# KiCad board visionboard.kicad_pcb (continued)
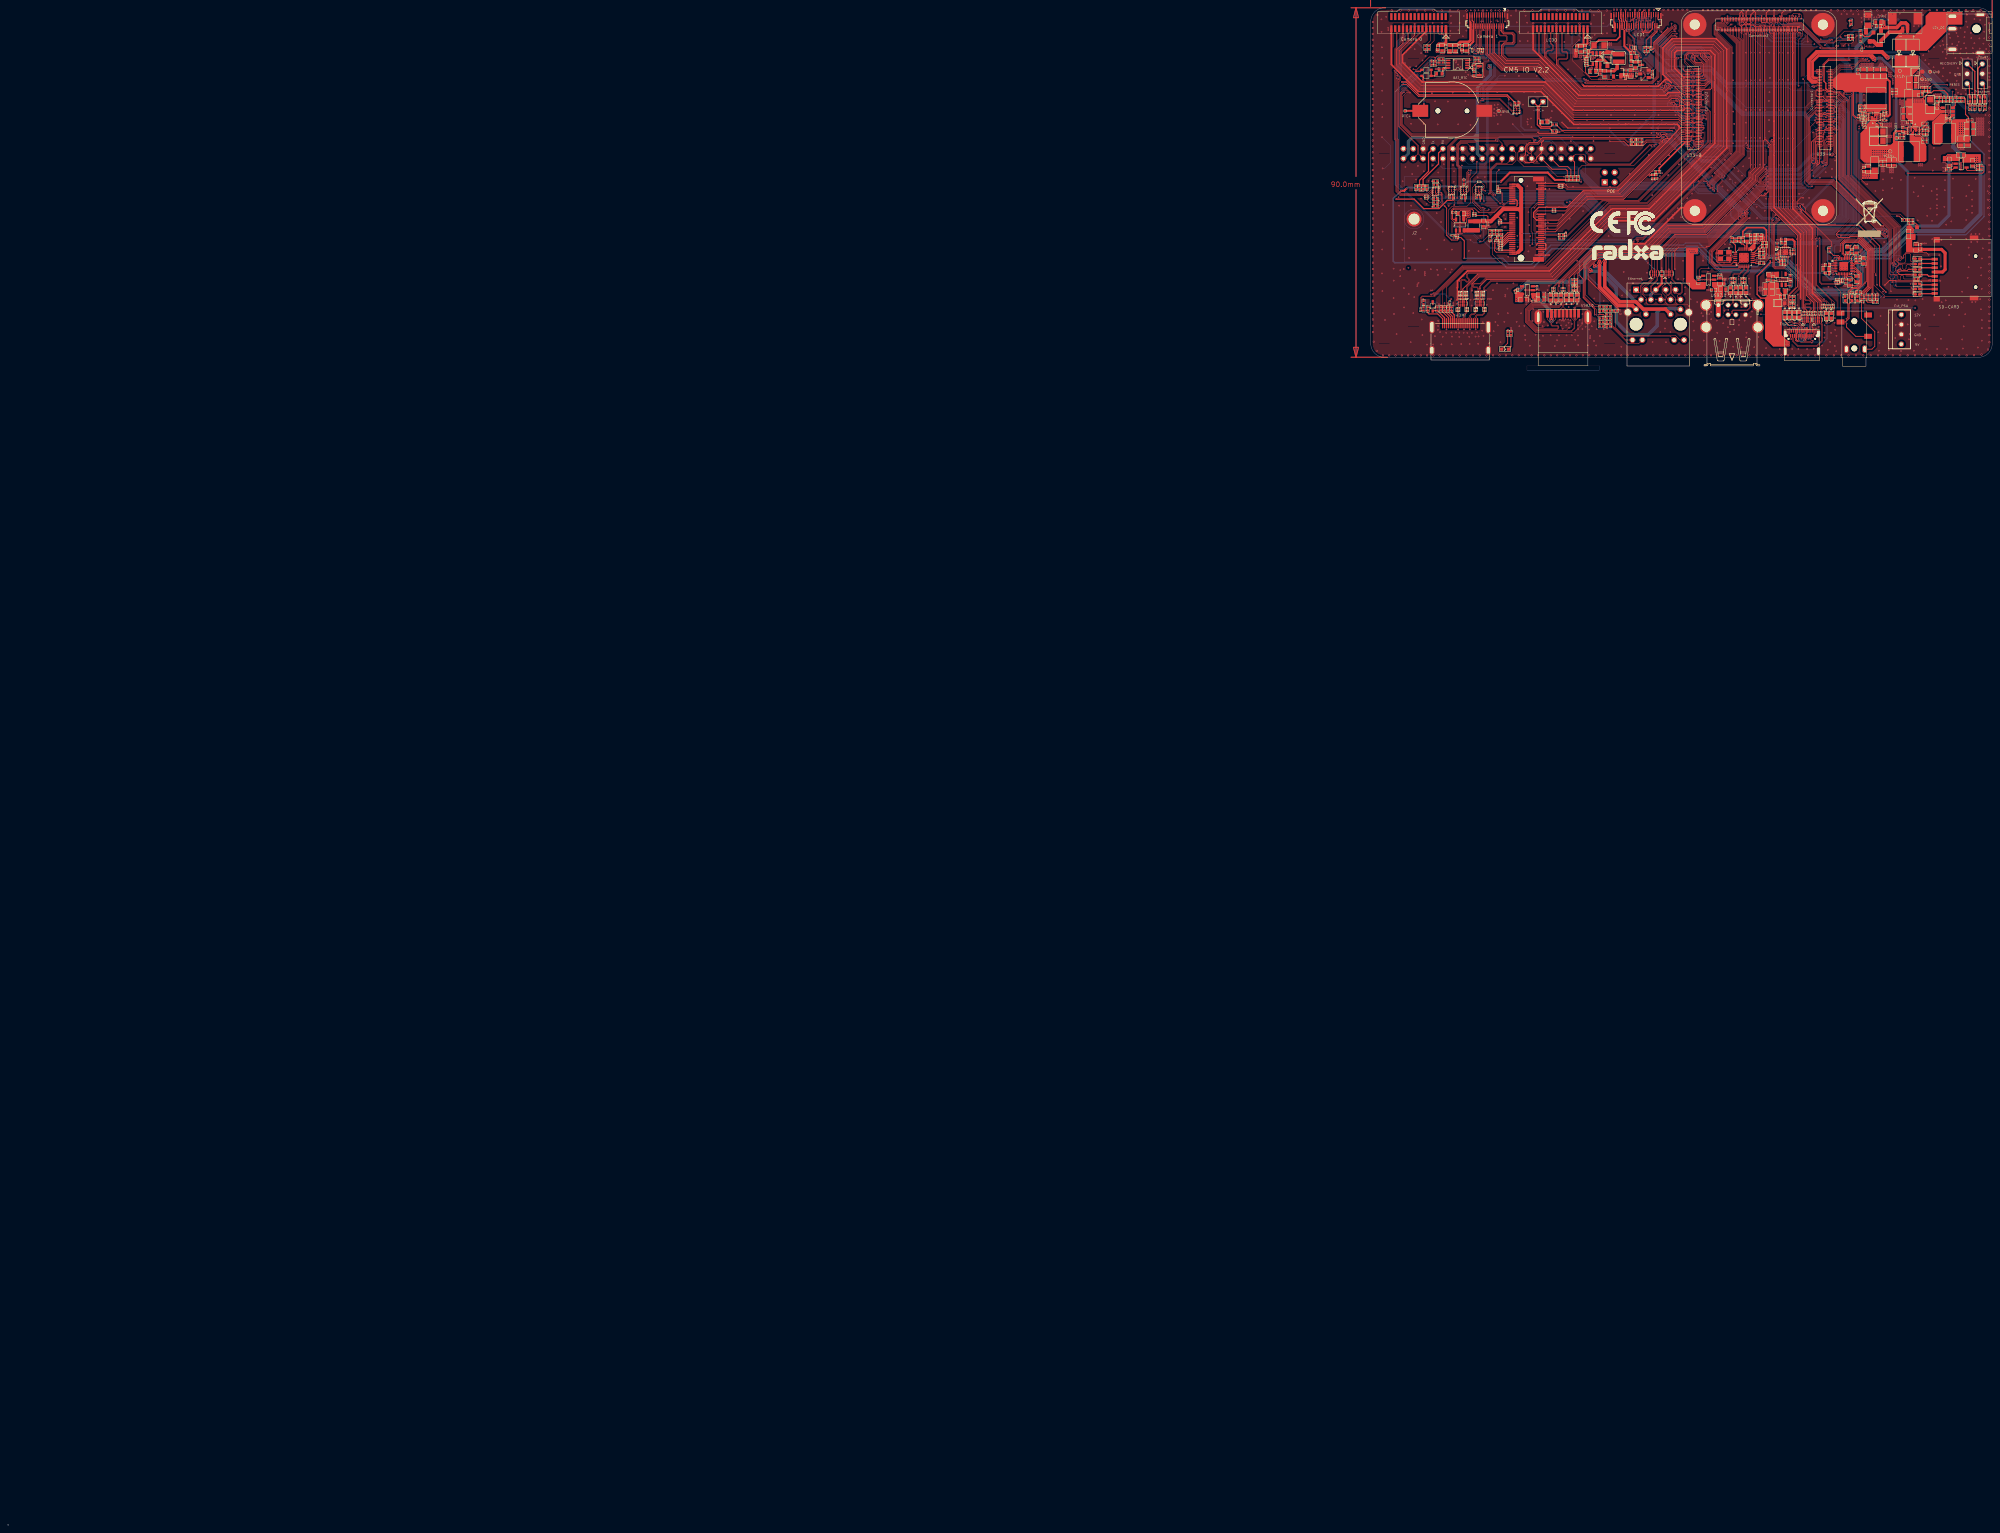
[diagram p0: board, top side]
## Routing (per net, layer and track width the routed paths; a pad name or vN(x,y) marks a point on that pad's centre or on a via; arc(x,y) is an arc through that point) (continued)
v1(481.63,307.22) v1(481.71,375.67) v1(481.68,361.32) v1(481.83,388.34) v1(481.76,302.49) v1(481.93,376.07) v1(481.91,304.52) v1(482.03,361.07) v1(482.16,376.47) v1(482.16,375.67) v1(482.18,311.42) v1(482.38,376.07) v1(482.38,361.32) v1(482.36,357.89) v1(482.36,357.47) v1(482.51,388.94) v1(482.63,376.44) v1(482.61,375.67) v1(482.56,349.89) v1(482.56,349.47) v1(482.56,349.04) v1(482.56,348.62) v1(482.71,361.04) v1(482.71,360.62) v1(482.71,360.19) v1(482.81,357.89) v1(482.81,357.47) v1(482.81,346.59) v1(482.78,343.77) v1(482.81,317.69) v1(482.86,376.07) v1(483.01,349.89) v1(483.01,349.47) v1(483.01,349.04) v1(483.01,348.62) v1(483.06,375.67) v1(483.13,330.44) v1(483.08,316.27) v1(483.16,361.04) v1(483.16,360.62) v1(483.16,360.19) v1(483.26,357.89) v1(483.26,357.47) v1(483.36,362.32) v1(483.51,389.02) v1(483.51,375.67) v1(483.48,306.99) v1(483.61,361.04) v1(483.61,360.62) v1(483.61,360.19) v1(483.68,357.89) v1(483.68,357.47) v1(483.88,364.02) v1(483.98,375.04) v1(483.96,374.54) v1(484.03,361.02) v1(484.03,360.59) v1(484.03,360.17) v1(483.96,332.07) v1(483.98,309.09) v1(484.13,357.89) v1(484.13,357.47) v1(484.31,374.17) v1(484.31,373.67) v1(484.33,373.12) v1(484.31,302.59) v1(484.48,361.02) v1(484.48,360.59) v1(484.48,360.17) v1(484.46,312.29) v1(484.58,357.89) v1(484.58,357.47) v1(484.56,349.64) v1(484.56,349.22) v1(484.56,348.79) v1(484.56,348.37) v1(484.81,374.09) v1(484.81,373.59) v1(484.83,373.04) v1(484.93,361.02) v1(484.93,360.59) v1(484.93,360.17) v1(485.01,357.87) v1(485.01,357.44) v1(484.98,349.64) v1(484.98,349.22) v1(484.98,348.79) v1(484.98,348.37) v1(485.13,346.92) v1(485.18,344.27) v1(485.28,389.17) v1(485.33,372.47) v1(485.33,372.04) v1(485.33,371.62) v1(485.33,371.19) v1(485.31,369.27) v1(485.31,368.32) v1(485.31,367.89) v1(485.43,349.64) v1(485.43,349.22) v1(485.43,348.79) v1(485.43,348.37) v1(485.58,322.12) v1(485.98,305.74) v1(486.08,309.14) v1(486.41,315.64) v1(486.88,358.39) v1(487.13,389.29) v1(487.21,367.22) v1(487.21,366.79) v1(487.21,366.37) v1(487.21,365.94) v1(487.31,323.47) v1(487.43,346.47) v1(487.53,361.44) v1(487.46,302.39) v1(487.63,366.79) v1(487.63,366.37) v1(487.63,365.94) v1(487.63,365.52) v1(487.56,360.74) v1(487.66,360.32) v1(487.76,361.09) v1(487.96,361.44) v1(487.98,360.74) v1(488.06,366.97) v1(488.06,366.54) v1(488.06,366.12) v1(488.06,365.69) v1(488.06,365.27) v1(488.08,360.32) v1(488.38,361.44) v1(488.38,360.89) v1(488.58,360.47) v1(488.81,361.44) v1(488.81,360.99) v1(489.03,360.59) v1(489.16,309.24) v1(489.43,360.79) v1(489.41,360.32) v1(489.36,315.52) v1(489.48,305.39) v1(489.71,306.77) v1(489.81,360.54) v1(489.83,360.09) v1(489.83,359.59) v1(489.83,359.09) v1(489.93,319.69) v1(490.13,318.64) v1(490.51,326.22) v1(490.51,324.82) v1(490.51,323.39) v1(490.53,322.07) v1(490.48,319.69) v1(490.51,318.39) v1(490.48,317.69) v1(490.48,317.09) v1(490.71,343.27) v1(490.78,386.04) v1(490.78,302.49) v1(490.93,330.34) v1(490.98,371.54) v1(490.96,347.04) v1(491.06,317.69) v1(491.16,373.57) v1(491.16,315.42) v1(491.36,330.34) v1(491.48,371.54) v1(491.58,373.92) v1(491.56,373.32) v1(491.81,374.32) v1(491.76,336.04) v1(491.78,330.34) v1(491.88,342.24) v1(491.98,386.09) v1(492.03,373.89) v1(492.03,373.44) v1(492.03,372.99) v1(492.03,372.54) v1(492.03,372.09) v1(492.03,371.62) v1(491.96,370.17) v1(492.01,350.57) v1(492.01,350.14) v1(492.06,370.64) v1(492.16,371.09) v1(492.41,370.17) v1(492.53,373.52) v1(492.51,373.02) v1(492.48,371.62) v1(492.53,370.64) v1(492.46,350.57) v1(492.46,350.14) v1(492.61,371.09) v1(492.63,330.09) v1(492.81,358.84) v1(492.93,371.62) v1(492.91,350.57) v1(492.91,350.14) v1(493.01,373.22) v1(493.01,370.64) v1(493.01,315.77) v1(493.11,388.94) v1(493.06,371.09) v1(493.13,344.84) v1(493.06,330.09) v1(493.18,378.57) v1(493.31,372.89) v1(493.38,372.09) v1(493.38,371.62) v1(493.41,370.17) v1(493.51,371.09) v1(493.48,370.64) v1(493.48,330.09) v1(493.63,372.57) v1(493.73,377.27) v1(493.68,305.52) v1(493.83,372.09) v1(493.76,359.49) v1(493.88,371.62) v1(493.91,330.09) v1(493.96,371.09) v1(493.96,370.64) v1(494.01,302.79) v1(494.21,337.22) v1(494.33,371.82) v1(494.36,371.37) v1(494.41,370.84) v1(494.51,359.97) v1(494.56,379.62) v1(494.61,376.32) v1(494.66,368.12) v1(494.83,371.12) v1(494.81,359.67) v1(495.03,339.09) v1(495.03,320.79) v1(495.03,320.37) v1(495.11,368.12) v1(495.33,343.59) v1(495.46,335.94) v1(495.51,331.19) v1(495.56,368.12) v1(495.61,348.87) v1(495.83,375.47) v1(495.83,368.47) v1(495.91,354.69) v1(495.96,380.62) v1(496.01,368.04) v1(496.01,311.69) v1(496.13,351.87) v1(496.31,368.47) v1(496.46,368.04) v1(496.68,344.12) v1(496.71,342.64) v1(496.71,341.49) v1(496.71,339.92) v1(496.71,339.12) v1(496.71,337.52) v1(496.76,368.47) v1(496.78,302.92) v1(496.91,368.04) v1(497.06,374.22) v1(497.21,368.47) v1(497.31,327.09) v1(497.36,368.04) v1(497.61,381.02) v1(497.58,320.52) v1(497.68,368.52) v1(497.73,305.54) v1(497.83,368.07) v1(497.76,324.22) v1(497.86,330.97) v1(497.91,314.97) v1(498.16,382.22) v1(498.18,379.44) v1(498.18,373.14) v1(498.33,350.99) v1(498.33,349.62) v1(498.38,381.27) v1(498.36,375.24) v1(498.36,348.67) v1(498.63,339.54) v1(498.73,343.82) v1(498.81,380.12) v1(498.78,350.99) v1(498.78,349.62) v1(498.81,348.67) v1(498.78,346.39) v1(498.88,349.14) v1(499.01,377.77) v1(498.96,315.42) v1(499.06,364.34) v1(499.06,363.89) v1(499.11,350.62) v1(499.11,350.12) v1(499.11,334.94) v1(499.23,381.37) v1(499.26,378.74) v1(499.28,302.92) v1(499.36,372.19) v1(499.51,364.34) v1(499.51,363.89) v1(499.73,363.49) v1(499.73,363.04) v1(499.83,384.04) v1(499.86,311.64) v1(499.96,364.34) v1(499.96,363.89) v1(500.11,383.07) v1(500.08,374.07) v1(500.23,331.64) v1(500.31,329.82) v1(500.41,335.77) v1(500.63,381.47) v1(500.58,371.02) v1(500.71,350.87) v1(500.71,350.42) v1(500.66,349.97) v1(500.71,341.89) v1(500.86,346.79) v1(500.98,379.02) v1(501.41,368.42) v1(501.46,377.82) v1(501.51,373.14) v1(501.61,369.77) v1(501.73,384.32) v1(501.78,371.99) v1(501.76,368.12) v1(501.93,381.09) v1(501.96,355.64) v1(501.96,355.22) v1(502.08,383.42) v1(502.08,375.24) v1(502.11,368.92) v1(502.31,382.02) v1(502.31,354.77) v1(502.43,373.69) v1(502.36,370.87) v1(502.68,379.04) v1(502.73,354.77) v1(502.73,354.34) v1(502.78,385.59) v1(502.86,380.24) v1(502.91,368.52) v1(502.98,377.92) v1(503.08,314.89) v1(503.16,354.77) v1(503.16,354.34) v1(503.18,317.69) v1(503.23,305.37) v1(503.41,303.04) v1(503.58,354.77) v1(503.58,354.34) v1(503.58,308.72) v1(503.71,381.64) v1(503.78,383.22) v1(503.88,384.54) v1(504.01,311.87) v1(504.06,369.69) v1(504.16,380.39) v1(504.16,368.57) v1(504.23,336.14) v1(504.28,387.24) v1(504.33,379.12) v1(504.28,342.29) v1(504.26,331.32) v1(504.43,389.02) v1(504.41,338.79) v1(504.56,385.87) v1(504.61,366.67) v1(504.58,366.12) v1(504.61,321.27) v1(504.76,377.94) v1(504.93,345.04) v1(504.86,329.04) v1(504.86,323.97) v1(505.01,327.12) v1(505.06,366.12) v1(505.43,384.34) v1(505.53,330.47) v1(505.56,382.99) v1(505.56,332.47) v1(505.83,369.79) v1(505.81,368.92) v1(505.81,365.62) v1(505.76,343.52) v1(505.76,341.39) v1(505.76,339.69) v1(505.76,337.99) v1(505.78,314.99) v1(505.91,380.37) v1(506.03,379.19) v1(506.36,387.89) v1(506.36,381.64) v1(506.43,366.12) v1(506.63,315.09) v1(506.68,346.72) v1(506.66,332.54) v1(506.91,362.32) v1(506.91,361.89) v1(506.91,361.47) v1(506.91,361.04) v1(506.91,360.62) v1(506.91,360.19) v1(506.91,359.77) v1(506.91,359.34) v1(506.91,358.92) v1(506.91,358.49) v1(506.91,358.07) v1(507.06,378.04) v1(507.13,365.57) v1(507.11,330.52) v1(507.23,303.29) v1(507.36,362.32) v1(507.36,361.89) v1(507.36,361.47) v1(507.36,361.04) v1(507.36,360.62) v1(507.36,360.19) v1(507.36,359.77) v1(507.36,359.34) v1(507.36,358.92) v1(507.36,358.49) v1(507.36,358.07) v1(507.66,382.89) v1(507.71,380.29) v1(507.71,366.07) v1(507.66,332.54) v1(507.83,387.64) v1(507.81,362.32) v1(507.81,361.89) v1(507.81,361.47) v1(507.81,361.04) v1(507.81,360.62) v1(507.81,360.19) v1(507.81,359.77) v1(507.81,359.34) v1(507.81,358.92) v1(507.81,358.49) v1(507.81,358.07) v1(507.83,315.77) v1(508.01,323.87) v1(508.03,313.14) v1(508.11,321.87) v1(508.18,369.79) v1(508.23,362.32) v1(508.23,361.89) v1(508.23,361.47) v1(508.23,361.04) v1(508.23,360.62) v1(508.23,360.19) v1(508.23,359.77) v1(508.23,359.34) v1(508.23,358.92) v1(508.23,358.49) v1(508.23,358.07) v1(508.23,318.42) v1(508.26,368.84) v1(508.28,326.22) v1(508.28,310.37) v1(508.28,308.29) v1(508.26,305.07) v1(508.38,365.54) v1(508.48,331.39) v1(508.51,328.82) v1(508.68,381.57) v1(508.68,362.32) v1(508.68,361.89) v1(508.68,361.47) v1(508.68,361.04) v1(508.68,360.62) v1(508.68,360.19) v1(508.68,359.77) v1(508.68,359.34) v1(508.68,358.92) v1(508.68,358.49) v1(508.68,358.07) v1(508.88,384.64) v1(508.88,382.89) v1(508.93,366.04) v1(509.03,386.44) v1(509.03,378.04) v1(509.21,363.14) v1(509.41,380.17) v1(509.76,343.52) v1(509.76,341.39) v1(509.76,339.27) v1(510.21,373.02) v2(351.46,387.12) v2(351.46,385.59) v2(351.46,384.07) v2(351.46,382.54) v2(351.46,381.02) v2(351.46,379.49) v2(351.46,377.97) v2(351.46,376.44) v2(351.46,374.92) v2(351.46,373.39) v2(351.46,371.87) v2(351.46,370.34) v2(351.46,368.82) v2(351.46,367.29) v2(351.46,365.77) v2(351.46,364.24) v2(351.46,362.72) v2(351.46,361.19) v2(351.46,359.67) v2(351.46,358.14) v2(351.46,356.62) v2(351.46,355.09) v2(351.46,353.57) v2(351.46,352.04) v2(351.46,350.52) v2(351.46,348.99) v2(351.46,347.47) v2(351.46,345.94) v2(351.48,344.57) v2(351.48,343.02) v2(351.48,341.39) v2(351.48,339.77) v2(351.48,338.14) v2(351.48,336.52) v2(351.48,334.89) v2(351.48,333.27) v2(351.48,331.64) v2(351.48,330.02) v2(351.48,328.39) v2(351.48,326.77) v2(351.48,325.14) v2(351.48,323.52) v2(351.48,321.89) v2(351.48,320.27) v2(351.48,318.64) v2(351.48,317.02) v2(351.48,315.39) v2(351.48,313.77) v2(351.48,312.14) v2(351.48,310.52) v2(351.48,308.89) v2(351.48,307.27) v2(351.71,304.79) v2(352.46,302.44) v2(352.66,388.94) v2(354.06,301.27) v2(355.68,301.27) v2(356.33,390.12) v2(357.31,301.27) v2(358.58,390.09) v2(358.93,301.27) v2(360.56,301.27) v2(360.71,390.09) v2(362.18,301.27) v2(362.83,390.09) v2(363.81,301.27) v2(364.96,390.09) v2(365.43,301.27) v2(367.08,390.09) v2(367.06,301.27) v2(368.63,301.27) v2(369.21,390.09) v2(370.36,301.27) v2(371.33,390.09) v2(372.08,301.27) v2(373.46,390.09) v2(373.81,301.27) v2(375.53,301.27) v2(375.58,390.09) v2(377.26,301.27) v2(377.71,390.09) v2(378.98,301.27) v2(379.83,390.09) v2(380.71,301.27) v2(381.96,390.09) v2(382.43,301.29) v2(384.08,390.09) v2(384.08,301.29) v2(385.73,301.29) v2(386.21,390.09) v2(387.38,301.29) v2(388.33,390.09) v2(389.03,301.29) v2(390.46,390.09) v2(390.68,301.29) v2(392.33,301.29) v2(392.58,390.09) v2(392.76,386.82) v2(393.98,301.29) v2(394.71,390.09) v2(395.63,301.29) v2(395.73,386.79) v2(396.83,390.09) v2(397.28,301.29) v2(398.71,386.77) v2(398.93,301.29) v2(398.96,390.09) v2(400.43,310.69) v2(400.58,301.29) v2(401.08,390.09) v2(401.68,386.74) v2(402.23,301.29) v2(403.21,390.09) v2(403.41,313.49) v2(403.43,310.69) v2(403.88,301.29) v2(404.66,386.72) v2(405.33,390.09) v2(405.53,301.29) v2(407.18,301.29) v2(407.46,390.09) v2(407.63,386.69) v2(408.83,301.29) v2(409.58,390.09) v2(410.48,301.29) v2(411.71,390.09) v2(412.13,301.29) v2(413.53,390.32) v2(413.78,301.29) v2(414.31,390.32) v2(415.23,311.97) v2(415.43,301.29) v2(417.08,301.29) v2(417.73,390.27) v2(418.73,301.29) v2(420.38,301.29) v2(422.03,301.29) v2(423.68,301.29) v2(423.86,390.27) v2(425.08,390.27) v2(425.33,301.29) v2(426.31,390.27) v2(426.98,301.29) v2(427.53,390.27) v2(428.63,301.29) v2(428.76,390.27) v2(429.98,390.27) v2(430.28,301.29) v2(431.21,390.27) v2(431.93,301.29) v2(432.43,390.27) v2(433.58,301.29) v2(435.23,301.29) v2(436.51,390.24) v2(436.88,301.29) v2(437.71,390.24) v2(438.53,301.29) v2(438.91,390.24) v2(440.16,390.24) v2(440.18,301.29) v2(441.41,390.24) v2(441.83,301.29) v2(442.66,390.24) v2(443.48,301.29) v2(444.01,390.22) v2(445.13,301.29) v2(445.36,390.19) v2(446.78,301.29) v2(448.43,301.29) v2(450.08,301.29) v2(450.76,390.17) v2(451.73,301.29) v2(452.11,390.17) v2(453.38,301.29) v2(455.03,301.29) v2(456.16,390.17) v2(456.68,301.29) v2(458.33,301.29) v2(458.86,390.17) v2(459.98,301.29) v2(460.21,390.17) v2(461.56,390.17) v2(461.78,301.29) v2(462.91,390.17) v2(463.58,301.29) v2(464.26,390.17) v2(465.38,301.29) v2(465.61,390.17) v2(468.26,301.29) v2(469.46,390.14) v2(470.16,301.29) v2(471.16,390.12) v2(472.06,301.29) v2(472.86,390.09) v2(473.96,301.29) v2(474.56,390.07) v2(475.86,301.29) v2(476.26,390.09) v2(477.76,301.29) v2(477.96,390.12) v2(479.66,390.12) v2(479.66,301.29) v2(481.36,390.12) v2(481.56,301.29) v2(483.06,390.12) v2(483.46,301.29) v2(484.76,390.12) v2(485.36,301.29) v2(486.46,390.12) v2(487.26,301.29) v2(488.16,390.12) v2(489.16,301.29) v2(491.06,390.17) v2(491.06,301.29) v2(492.93,390.17) v2(492.96,301.29) v2(494.81,390.17) v2(494.86,301.29) v2(496.68,390.17) v2(496.76,301.29) v2(498.56,390.17) v2(498.66,301.29) v2(500.43,390.17) v2(500.56,301.29) v2(502.31,390.17) v2(502.46,301.29) v2(502.83,350.84) v2(502.83,350.29) v2(502.83,349.74) v2(502.83,349.19) v2(504.18,390.17) v2(504.36,301.29) v2(506.06,390.17) v2(506.26,301.32) v2(506.63,350.44) v2(506.63,349.89) v2(506.66,349.34) v2(507.93,390.17) v2(508.18,301.47) v2(509.68,388.57) v2(509.86,302.79) v2(510.16,386.79) v2(510.18,384.97) v2(510.21,383.14) v2(510.21,381.32) v2(510.21,379.49) v2(510.21,377.67) v2(510.21,375.84) v2(510.21,374.02) v2(510.21,372.19) v2(510.21,370.37) v2(510.21,368.54) v2(510.21,366.72) v2(510.21,364.89) v2(510.21,363.07) v2(510.21,361.24) v2(510.21,359.42) v2(510.21,357.59) v2(510.21,355.77) v2(510.21,353.94) v2(510.21,352.12) v2(510.21,350.29) v2(510.21,348.47) v2(510.21,346.64) v2(510.21,344.82) v2(510.21,342.99) v2(510.21,341.17) v2(510.21,339.34) v2(510.21,337.52) v2(510.21,335.69) v2(510.21,333.87) v2(510.21,332.04) v2(510.21,330.22) v2(510.21,328.39) v2(510.21,326.57) v2(510.21,324.74) v2(510.21,322.92) v2(510.21,321.09) v2(510.21,319.27) v2(510.21,317.44) v2(510.21,315.62) v2(510.21,313.79) v2(510.21,311.97) v2(510.21,310.14) v2(510.21,308.32) v2(510.21,306.49) v2(510.21,304.67)
